# KiCad board UD3.1.kicad_pcb (continued)
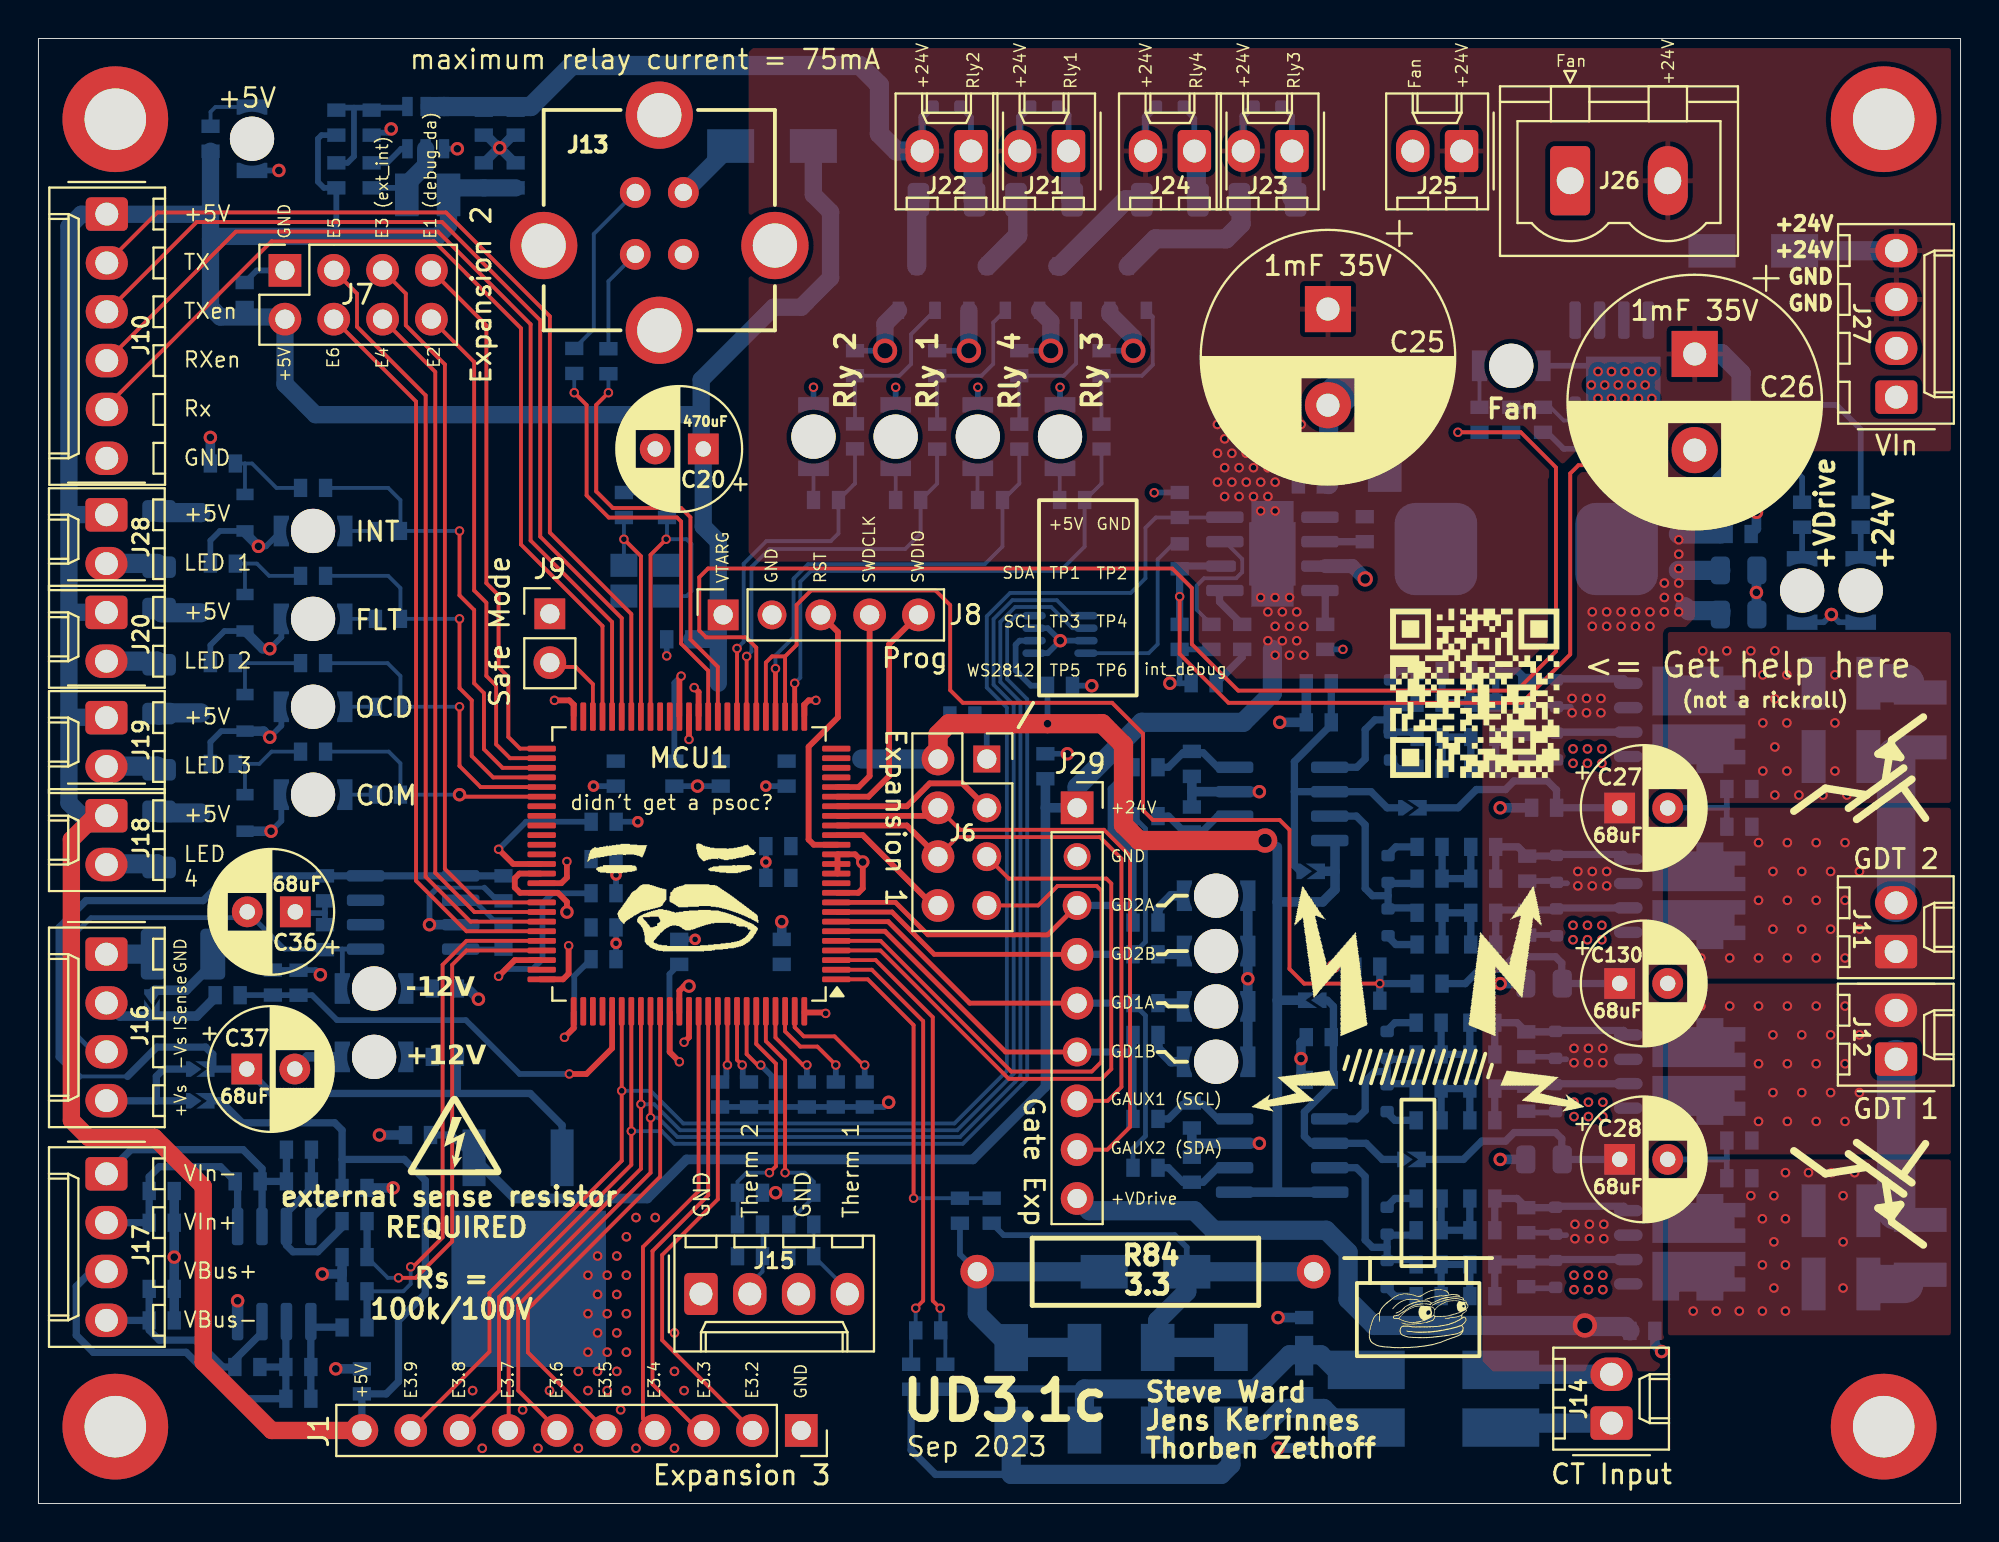
[diagram p0: board, top side]
## Library data of the parts
C1-C18 C21-C24 C31-C35 C38-C40 C78-C100 C102 C107 C110-C116 C118 C123 C126-C129 = -: Description: Unpolarized capacitor; ki_fp_filters: C_*
C19 C101 C103-C105 C108 C109 C117 C119-C121 C124 C125 C131-C135 = -: Description: Unpolarized capacitor; SUPPLIER 1: Digi-Key; SUPPLIER 2: Digi-Key; SUPPLIER 3: Digi-Key; SUPPLIER PART NUMBER 1: 1276-2044-1-ND; SUPPLIER PART NUMBER 2: 1276-1018-1-ND; SUPPLIER PART NUMBER 3: 1276-1182-1-ND; SUPPLIER 4: Digi-Key; SUPPLIER 5: Digi-Key; SUPPLIER 6: Digi-Key; SUPPLIER 7: Digi-Key; SUPPLIER 8: Digi-Key; SUPPLIER 9: Digi-Key; SUPPLIER PART NUMBER 4: 1276-1009-1-ND; SUPPLIER PART NUMBER 5: 1276-1098-1-ND; SUPPLIER PART NUMBER 6: 1276-1119-1-ND; SUPPLIER PART NUMBER 7: 490-12737-1-ND; SUPPLIER PART NUMBER 9: 587-1249-1-ND; SUPPLIER PART NUMBER 8: 1276-1183-1-ND; SUPPLIER 10: Digi-Key; SUPPLIER 11: Digi-Key; SUPPLIER 12: Digi-Key; SUPPLIER 13: Digi-Key; SUPPLIER PART NUMBER 10: 1276-CL10B104KB8NNNLCT-ND; SUPPLIER PART NUMBER 11: 399-1085-1-ND; SUPPLIER PART NUMBER 13: 587-2985-1-ND; SUPPLIER PART NUMBER 12: 1276-1021-1-ND; SUPPLIER 14: Digi-Key; SUPPLIER 15: Digi-Key; SUPPLIER 16: Digi-Key; SUPPLIER 17: Digi-Key; SUPPLIER 18: Digi-Key; SUPPLIER 19: Digi-Key; SUPPLIER PART NUMBER 14: 490-14603-1-ND; SUPPLIER PART NUMBER 15: 311-3700-1-ND; SUPPLIER PART NUMBER 16: 311-1042-1-ND; SUPPLIER PART NUMBER 17: 311-1415-1-ND; SUPPLIER PART NUMBER 19: 587-4321-1-ND; SUPPLIER PART NUMBER 18: 1276-1907-1-ND; SUPPLIER 20: Digi-Key; SUPPLIER 21: Digi-Key; SUPPLIER 22: Digi-Key; SUPPLIER PART NUMBER 20: 1276-6767-1-ND; SUPPLIER PART NUMBER 21: 1276-7060-1-ND; SUPPLIER PART NUMBER 22: 311-1084-1-ND; ki_fp_filters: C_*
C20 C25-C28 C36 C37 C130 = -: Description: Polarized capacitor, US symbol; SUPPLIER 1: Digi-Key; SUPPLIER PART NUMBER 1: 478-9181-1-ND; SUPPLIER 2: Digi-Key; SUPPLIER 3: Digi-Key; SUPPLIER PART NUMBER 2: 478-9173-1-ND; SUPPLIER PART NUMBER 3: 493-11037-ND; SUPPLIER 4: Digi-Key; SUPPLIER 5: Digi-Key; SUPPLIER PART NUMBER 4: PCE3462CT-ND; SUPPLIER PART NUMBER 5: 399-18864-1-ND; SUPPLIER 6: Digi-Key; SUPPLIER PART NUMBER 6: 399-10512-1-ND; SUPPLIER 7: Digi-Key; SUPPLIER PART NUMBER 7: 399-15746-ND; SUPPLIER 8: Digi-Key; SUPPLIER PART NUMBER 8: 1189-3752-1-ND; ki_fp_filters: CP_*
D1-D5 D43-D53 D62 D63 = -: Description: Light emitting diode; SUPPLIER 1: Digi-Key; SUPPLIER 2: Digi-Key; SUPPLIER 3: Digi-Key; SUPPLIER 4: Digi-Key; SUPPLIER PART NUMBER 1: 732-4979-1-ND; SUPPLIER PART NUMBER 2: 732-4971-1-ND; SUPPLIER PART NUMBER 3: 732-4966-1-ND; SUPPLIER PART NUMBER 4: 732-4981-1-ND; ki_fp_filters: LED* LED_SMD:* LED_THT:*
D7 = -: Description: Schottky diode; SUPPLIER 1: Digi-Key; SUPPLIER PART NUMBER 1: FSV12100VCT-ND; ki_fp_filters: TO-???* *_Diode_* *SingleDiode* D_*
D32-D35 D37-D42 D56-D59 D66-D69 = -: Description: Schottky diode; SUPPLIER 1: Digi-Key; SUPPLIER PART NUMBER 1: MBR10100GOS-ND; SUPPLIER 2: Digi-Key; SUPPLIER PART NUMBER 2: 1655-1504-1-ND; ki_fp_filters: TO-???* *_Diode_* *SingleDiode* D_*
D36 = -: Description: Bidirectional transient-voltage-suppression diode; ki_fp_filters: TO-???* *_Diode_* *SingleDiode* D_*
D54 D55 D60 D61 D64 D65 D70 D71 = -: Description: Zener diode; SUPPLIER 1: Digi-Key; SUPPLIER PART NUMBER 1: UCLAMP3301HCT-ND; ki_fp_filters: TO-???* *_Diode_* *SingleDiode* D_*
IC1 = -: Description: DigiPot 8bit; ki_fp_filters: *Sot 23-8*
IC6 = -: Description: Dual operational amplifier; SUPPLIER 1: Digi-Key; SUPPLIER PART NUMBER 1: 296-27903-5-ND; Sim.Name: kicad_builtin_opamp_dual; Sim.Device: SUBCKT; Sim.Pins: 1=out1 2=in1- 3=in1+ 4=vee 5=in2+ 6=in2- 7=out2 8=vcc; ki_fp_filters: SOIC*3.9x4.9mm*P1.27mm* DIP*W7.62mm* MSOP*3x3mm*P0.65mm* SSOP*2.95x2.8mm*P0.65mm* TSSOP*3x3mm*P0.65mm* VSSOP*P0.5mm* TO?99*
IC7 IC8 = -: Description: Dual gate driver; ki_fp_filters: *SOIC8*
J1 = -: Description: Generic connector, single row, 01x10, script generated; LATESTREVISIONDATE: 17-Jul-2002; LATESTREVISIONNOTE: Re-released for DXP Platform.; PUBLISHER: Altium Limited; ki_fp_filters: Connector*:*_1x??_*
J2-J5 = -: Description: Mounting Hole with connection; ki_fp_filters: MountingHole*Pad*
J6 J7 = -: Description: Generic connector, double row, 02x04, odd/even pin numbering scheme (row 1 odd numbers, row 2 even numbers), script generated (kicad-library-utils/schlib/autogen/connector/); LATESTREVISIONDATE: 17-Jul-2002; LATESTREVISIONNOTE: Re-released for DXP Platform.; PUBLISHER: Altium Limited; ki_fp_filters: Connector*:*_2x??_*
J8 = -: Description: Generic connector, single row, 01x05, script generated; LATESTREVISIONDATE: 17-Jul-2002; LATESTREVISIONNOTE: Re-released for DXP Platform.; PUBLISHER: Altium Limited; ki_fp_filters: Connector*:*_1x??_*
J9 = -: Description: Generic connector, single row, 01x02, script generated; LATESTREVISIONDATE: 17-Jul-2002; LATESTREVISIONNOTE: Re-released for DXP Platform.; PUBLISHER: Altium Limited; ki_fp_filters: Connector*:*_1x??_*
J10 = -: Description: Generic connector, single row, 01x06, script generated; ki_fp_filters: Connector*:*_1x??_*
J11 J12 J14 J18-J26 J28 = -: Description: Generic connector, single row, 01x02, script generated; ki_fp_filters: Connector*:*_1x??_*
J13 = -: Description: USB Type B connector; ki_fp_filters: USB*
J15-J17 J27 = -: Description: Generic connector, single row, 01x04, script generated; ki_fp_filters: Connector*:*_1x??_*
J29 = -: Description: Generic connector, single row, 01x09, script generated; LATESTREVISIONDATE: 17-Jul-2002; LATESTREVISIONNOTE: Re-released for DXP Platform.; PUBLISHER: Altium Limited; ki_fp_filters: Connector*:*_1x??_*
Jp1 Jp10-Jp16 = -: Description: Solder Jumper, 2-pole, open; ki_fp_filters: SolderJumper*Open*
L1 = -: Description: Inductor; SUPPLIER 1: Digi-Key; SUPPLIER PART NUMBER 1: 541-1253-1-ND; SUPPLIER 2: Digi-Key; SUPPLIER PART NUMBER 2: SRP1265A-1R0MCT-ND; SUPPLIER 3: Digi-Key; SUPPLIER PART NUMBER 3: 732-4237-1-ND; ki_fp_filters: Choke_* *Coil* Inductor_* L_*
L2 = -: Description: Coupled inductor with iron core; SUPPLIER 1: Digi-Key; SUPPLIER PART NUMBER 1: 732-2358-1-ND; ki_fp_filters: Choke_* *Coil* Inductor_* L_*
L3 = -: Description: Inductor; SUPPLIER 1: Digi-Key; SUPPLIER 2: Digi-Key; SUPPLIER PART NUMBER 1: 541-1250-1-ND; SUPPLIER PART NUMBER 2: 541-1253-1-ND; SUPPLIER 3: Digi-Key; SUPPLIER 4: Digi-Key; SUPPLIER PART NUMBER 3: SRN6028-3R9MCT-ND; SUPPLIER PART NUMBER 4: SRN6028-4R7MCT-ND; SUPPLIER 5: Digi-Key; SUPPLIER 6: Digi-Key; SUPPLIER 7: Digi-Key; SUPPLIER 8: Digi-Key; SUPPLIER 9: Digi-Key; SUPPLIER 10: Digi-Key; SUPPLIER 11: Digi-Key; SUPPLIER PART NUMBER 5: 490-10563-1-ND; SUPPLIER PART NUMBER 6: 1276-6932-1-ND; SUPPLIER PART NUMBER 7: 587-2042-1-ND; SUPPLIER PART NUMBER 8: 535-12790-1-ND; SUPPLIER PART NUMBER 9: SRP1265A-1R0MCT-ND; SUPPLIER PART NUMBER 10: SRP1770TA-5R6MCT-ND; SUPPLIER PART NUMBER 11: SRN6028-100MCT-ND; ki_fp_filters: Choke_* *Coil* Inductor_* L_*
MCU1 = -: ki_fp_filters: *TQFP 100*
Q5-Q13 = -: Description: N-MOSFET transistor, gate/source/drain; SUPPLIER 1: Digi-Key; SUPPLIER PART NUMBER 1: 1727-5305-1-ND; SUPPLIER 2: Digi-Key; SUPPLIER PART NUMBER 2: 1727-1123-1-ND; SUPPLIER 3: Digi-Key; SUPPLIER 4: Digi-Key; SUPPLIER PART NUMBER 4: T2N7002AKLMCT-ND; SUPPLIER PART NUMBER 3: BSC0906NSATMA1CT-ND; SUPPLIER 5: Digi-Key; SUPPLIER PART NUMBER 5: 1727-4714-1-ND; SUPPLIER 6: Digi-Key; SUPPLIER 7: Digi-Key; SUPPLIER PART NUMBER 6: 497-14572-5-ND; SUPPLIER PART NUMBER 7: IPP180N10N3GXKSA1-ND
Q14-Q17 = -: Description: Dual Mosfet, one N & P channel resp.; SUPPLIER 1: Digi-Key; ki_fp_filters: *SO-8FL - Dual*
R1-R8 R10-R14 R47 R48 R82-R184 = -: Description: Resistor; ki_fp_filters: R_*
Reg1 = -: SUPPLIER 1: Digi-Key; SUPPLIER PART NUMBER 1: AP63203WU-7DICT-ND; SUPPLIER 2: Digi-Key; SUPPLIER PART NUMBER 2: AP63200WU-7DICT-ND; SUPPLIER 3: Digi-Key; SUPPLIER PART NUMBER 3: AP63201WU-7DICT-ND; ki_fp_filters: *TSOT26*
Reg2 = -: Description: Buck Regulator, Internal Switch 4A; ki_fp_filters: *SOIC8 EXPOSED*
Reg3 = -: Description: positive voltage regulator; ki_fp_filters: *TO252 DPAk*
U1 = -: ki_fp_filters: *SOIC8*
X1 = -: SUPPLIER 1: Digi-Key; SUPPLIER PART NUMBER 1: SER4069TR-ND; ki_fp_filters: *ECS-3225MV Oscillator*

## Footprints (pads in the part's own frame, mm; a bottom-side part is the same pattern mirrored in y, then rotated)
0603 SMD Component
  rect 0.7x0.95 smd: 1(-0.65,0) 2(0.65,0)
1008 SMD Component
  rect 1.23x2.22 smd: 1(-1.085,0) 2(1.085,0)
1210 SMD Component
  rect 1.25x2.75 smd: 1(-1.425,0) 2(1.425,0)
C_0805_2012Metric
  rrect 1x1.45 smd: 1(-0.95,0) 2(0.95,0)
CP_Radial_D6.3mm_P2.50mm
  rect 1.6x1.6 hole 0.8: 1(0,0)
  round 1.6 hole 0.8: 2(2.5,0)
CP_Radial_D13.0mm_P5.00mm
  rect 2.4x2.4 hole 1.2: 1(0,0)
  round 2.4 hole 1.2: 2(5,0)
D_SOD-523
  rrect 0.6x0.7 smd: 1(-0.7,0) 2(0.7,0)
DO-214AC
  rect 2.45x1.75 smd: 1(-2.15,0) 2(2.15,0)
ECS-3225MV Oscillator
  rect 1.4x1.2 smd: 1(-1.1,-0.8) 2(1.1,0.8) 3(1.1,-0.8) 4(-1.1,0.8)
Inductor 11x11mm
  rrect 4.3x4.8 smd: 1(-4.7,0) 2(4.7,0)
LED 1206 Reverse Mount
  round 2.3 hole 2.3 unplated: (0,0)
  custom 0.8x1.6 smd: 1(2.05,-0.8) 2(-2.05,-0.8)
Molex_KK-254_AE-6410-02A_1x02_P2.54mm_Vertical
  rrect 1.74x2.19 hole 1.19: 1(0,0)
  oval 1.74x2.19 hole 1.19: 2(2.54,0)
Molex_KK-254_AE-6410-04A_1x04_P2.54mm_Vertical
  rrect 1.74x2.19 hole 1.19: 1(0,0)
  oval 1.74x2.19 hole 1.19: 2(2.54,0) 3(5.08,0) 4(7.62,0)
Molex_KK-254_AE-6410-06A_1x06_P2.54mm_Vertical
  rrect 1.74x2.19 hole 1.19: 1(0,0)
  oval 1.74x2.19 hole 1.19: 2(2.54,0) 3(5.08,0) 4(7.62,0) 5(10.16,0) 6(12.7,0)
MountingHole_3.2mm_M3_ISO14580_Pad
  round 5.5 hole 3.2: 1(0,0)
PCB Jumper NO
  custom 0.813x0.813 smd: 1(0.533,-0.406)
  round 0.025 smd: 1(0.584,0) 2(-0.61,0)
  custom 1.01x0.813 smd: 2(-0.705,-0.406)
PhoenixContact_MSTBVA_2,5_2-G-5,08_1x02_P5.08mm_Vertical
  rrect 2.08x3.6 hole 1.4: 1(0,0)
  oval 2.08x3.6 hole 1.4: 2(5.08,0)
PinHeader_1x02_P2.54mm_Vertical
  rect 1.6x1.6 hole 1: 1(0,0)
  oval 1.7x1.7 hole 1: 2(0,-2.54)
PinSocket_1x05_P2.54mm_Vertical
  rect 1.6x1.6 hole 1: 1(0,0)
  oval 1.5x1.5 hole 1: 2(0,-2.54)
  oval 1.6x1.6 hole 1: 3(0,-5.08)
  oval 1.7x1.7 hole 1: 4(0,-7.62) 5(0,-10.16)
PinSocket_1x09_P2.54mm_Vertical
  rect 1.7x1.7 hole 1: 1(0,0)
  oval 1.4x1.4 hole 1: 2(0,-2.54)
  oval 1.5x1.5 hole 1: 3(0,-5.08) 6(0,-12.7)
  oval 1.7x1.7 hole 1: 4(0,-7.62) 5(0,-10.16) 7(0,-15.24) 8(0,-17.78) 9(0,-20.32)
PinSocket_1x10_P2.54mm_Vertical
  rect 1.7x1.7 hole 1: 1(0,0)
  oval 1.7x1.7 hole 1: 2(0,-2.54) 3(0,-5.08) 4(0,-7.62) 5(0,-10.16) 6(0,-12.7) 7(0,-15.24) 8(0,-17.78) 9(0,-20.32) 10(0,-22.86)
PinSocket_2x04_P2.54mm_Vertical
  rect 1.7x1.7 hole 1: 1(0,0)
  oval 1.7x1.7 hole 1: 2(-2.54,0) 3(0,-2.54) 4(-2.54,-2.54) 5(0,-5.08) 6(-2.54,-5.08) 7(0,-7.62) 8(-2.54,-7.62)
PinSocket_2x04_P2.54mm_Vertical#2
  rect 1.4x1.4 hole 1: 1(0,0)
  oval 1.7x1.7 hole 1: 2(-2.54,0) 4(-2.54,-2.54) 6(-2.54,-5.08) 8(-2.54,-7.62)
  oval 1.5x1.5 hole 1: 3(0,-2.54) 5(0,-5.08) 7(0,-7.62)
R_1206_3216Metric
  rrect 1.125x1.75 smd: 1(-1.462,0) 2(1.462,0)
R_1210_3225Metric_Pad1.30x2.65mm_HandSolder
  rrect 1.3x2.65 smd: 1(-1.55,0) 2(1.55,0)
Resistor Axial 0411 THT 2W 17,5 Spacing
  round 1.75 hole 1: 1(0,8.75) 2(0,-8.75)
SO-8FL - Dual
  oval 0.6x1.5 smd: 1(-1.905,-2.715) 2(-0.635,-2.715) 4(0.635,-2.715) 5(1.905,-2.715)
  custom 2.545x4.84 smd: 3(-2.775,-1.465) 6(2.775,-1.465)
SOIC-8-1EP_3.9x4.9mm_P1.27mm_EP2.41x3.3mm
  rrect 0.97x1.33 smd: (-0.6,-0.825) (-0.6,0.825) (0.6,-0.825) (0.6,0.825)
  rrect 1.95x0.6 smd: 1(-2.475,1.905) 2(-2.475,0.635) 3(-2.475,-0.635) 4(-2.475,-1.905) 5(2.475,-1.905) 7(2.475,0.635) 8(2.475,1.905)
  rrect 1.55x0.6 smd: 6(2.675,-0.635)
  rect 2.41x3.3 smd: 9(0,0)
SOIC-8_3.9x4.9mm_P1.27mm
  rrect 1.95x0.6 smd: 1(-2.475,1.905) 2(-2.475,0.635) 3(-2.475,-0.635) 4(-2.475,-1.905) 5(2.475,-1.905) 6(2.475,-0.635) 7(2.475,0.635) 8(2.475,1.905)
SOIC-8_3.9x4.9mm_P1.27mm#2
  rrect 1.95x0.6 smd: 1(-2.475,-1.905) 2(-2.475,-0.635) 2(-2.475,0.635) 2(-2.475,1.905) 3(2.475,-1.905) 3(2.475,-0.635) 3(2.475,0.635) 3(2.475,1.905)
SON127P600 4 POS (8.50mm x 5.60mm)
  rect 4x2 smd: 1(-3.5,1.5) 2(-3.5,-1.5) 3(3.5,-1.5) 4(3.5,1.5)
SOT-23
  rect 0.9x0.6 smd: 1(-1.15,0.95) 2(-1.15,-0.95) 3(1.15,0)
SOT-23-8
  oval 1.22x0.4 smd: 1(-1.35,0.975) 2(-1.35,0.325) 3(-1.35,-0.325) 4(-1.35,-0.975) 5(1.35,-0.975) 6(1.35,-0.325) 7(1.35,0.325) 8(1.35,0.975)
TO-252 DPAk
  rect 2.95x1.2 smd: 1(-4.15,2.29) 3(-4.15,-2.29)
  rect 6.7x5.65 smd: 2(2.3,0)
TQFP-100_14x14mm_P0.5mm
  rrect 1.475x0.3 smd: 1(-7.662,6) 2(-7.662,5.5) 3(-7.662,5) 4(-7.662,4.5) 5(-7.662,4) 6(-7.662,3.5) 7(-7.662,3) 8(-7.662,2.5) 9(-7.662,2) 10(-7.662,1.5) 11(-7.662,1) 12(-7.662,0.5) 13(-7.662,0) 14(-7.662,-0.5) 15(-7.662,-1) 16(-7.662,-1.5) 17(-7.662,-2) 18(-7.662,-2.5) 19(-7.662,-3) 20(-7.662,-3.5) 21(-7.662,-4) 22(-7.662,-4.5) 23(-7.662,-5) 24(-7.662,-5.5) 25(-7.662,-6) 51(7.662,-6) 52(7.662,-5.5) 53(7.662,-5) 54(7.662,-4.5) 55(7.662,-4) 56(7.662,-3.5) 57(7.662,-3) 58(7.662,-2.5) 59(7.662,-2) 60(7.662,-1.5) 61(7.662,-1) 62(7.662,-0.5) 63(7.662,0) 64(7.662,0.5) 65(7.662,1) 66(7.662,1.5) 67(7.662,2) 68(7.662,2.5) 69(7.662,3) 70(7.662,3.5) 71(7.662,4) 72(7.662,4.5) 73(7.662,5) 74(7.662,5.5) 75(7.662,6)
  rrect 0.3x1.475 smd: 26(-6,-7.662) 27(-5.5,-7.662) 28(-5,-7.662) 29(-4.5,-7.662) 30(-4,-7.662) 31(-3.5,-7.662) 32(-3,-7.662) 33(-2.5,-7.662) 34(-2,-7.662) 35(-1.5,-7.662) 36(-1,-7.662) 37(-0.5,-7.662) 38(0,-7.662) 39(0.5,-7.662) 40(1,-7.662) 41(1.5,-7.662) 42(2,-7.662) 43(2.5,-7.662) 44(3,-7.662) 45(3.5,-7.662) 46(4,-7.662) 47(4.5,-7.662) 48(5,-7.662) 49(5.5,-7.662) 50(6,-7.662) 76(6,7.662) 77(5.5,7.662) 78(5,7.662) 79(4.5,7.662) 80(4,7.662) 81(3.5,7.662) 82(3,7.662) 83(2.5,7.662) 84(2,7.662) 85(1.5,7.662) 86(1,7.662) 87(0.5,7.662) 88(0,7.662) 89(-0.5,7.662) 90(-1,7.662) 91(-1.5,7.662) 92(-2,7.662) 93(-2.5,7.662) 94(-3,7.662) 95(-3.5,7.662) 96(-4,7.662) 97(-4.5,7.662) 98(-5,7.662) 99(-5.5,7.662) 100(-6,7.662)
TSOT-26
  rect 1x0.55 smd: 1(-1.099,0.95) 2(-1.099,0) 3(-1.099,-0.95) 4(1.099,-0.95) 5(1.099,0) 6(1.099,0.95)
USB 2.0 Type B Vertical
  round 1.6 hole 0.9: 1(1.25,3.22) 2(-1.25,3.22) 3(-1.25,0) 4(1.25,0)
  round 3.5 hole 2.3: 5(-6.015,0.46) 5(0,7.24) 5(0,-3.95) 5(6.015,0.46)

## Nets
+5V: C1.2 C2.1 C4.2 C8.2 C9.2 C10.1 C12.2 C14.2 C15.2 C17.2 C20.1 C23.2 C90.2 C91.2 C98.1 C132.1 C133.1 C135.1 D37.1 IC1.2 IC6.8 IC7.1 IC7.8 IC8.1 IC8.8 J1.10 J6.2 J7.2 J8.1 J10.1 J18.1 J19.1 J20.1 J28.1 Jp10.2 Jp13.2 Jp15.2 L3.2 MCU1.26 MCU1.37 MCU1.50 MCU1.65 MCU1.75 MCU1.88 MCU1.100 R6.2 R8.1
+12V: C35.2 C37.1 C40.2 Jp11.2 R5.1 Reg3.3 U1.1 U1.8
+24V: C6.2 C19.2 C25.1 C26.1 C31.2 C32.2 C34.2 C131.1 D38.1 D39.1 D40.1 D41.1 D42.1 J21.2 J22.2 J23.2 J24.2 J25.1 J26.2 J27.3 J27.4 J29.1 Jp1.1 R3.1 Reg1.2 Reg1.3 Reg2.9 Reg3.1
-12V: C36.2 C38.2 D4.1 J16.3 U1.5
GND: C1.1 C2.2 C3.1 C4.1 C5.1 C6.1 C7.1 C8.1 C9.1 C10.2 C11.1 C12.1 C13.1 C14.1 C15.1 C16.2 C17.1 C18.2 C19.1 C20.2 C21.1 C22.2 C23.1 C24.1 C25.2 C26.2 C27.2 C28.2 C31.1 C32.1 C34.1 C35.1 C36.1 C37.2 C38.1 C40.1 C78.2 C79.2 C82.1 C83.2 C86.1 C87.2 C88.1 C89.1 C90.1 C91.1 C92.1 C93.1 C95.1 C96.1 C98.2 C99.1 C100.1 C101.2 C105.2 C110.1 C111.1 C112.1 C113.1 C114.1 C115.1 C116.1 C117.2 C121.2 C126.1 C127.1 C128.1 C129.1 C130.2 C131.2 C132.2 C133.2 D1.1 D2.1 D3.1 D5.1 D7.2 D32.2 D33.2 D36.2 D43.1 D44.1 D45.1 D46.1 D47.1 D48.1 D49.1 D50.1 D51.1 D52.1 D53.1 D54.2 D55.2 D62.1 D63.1 D64.2 D65.2 IC1.1 IC1.3 IC1.7 IC6.4 IC7.3 IC8.3 J1.1 J2.1 J3.1 J4.1 J5.1 J6.1 J7.1 J8.2 J9.1 J10.6 J13.4 J13.5 J15.1 J15.3 J16.1 J27.1 J27.2 J29.2 MCU1.10 MCU1.12 MCU1.13 MCU1.14 MCU1.38 MCU1.64 MCU1.66 MCU1.87 Q5.2 Q6.2 Q7.2 Q8.2 Q9.2 Q10.2 Q11.2 Q12.2 Q13.2 Q14.1 Q15.1 Q16.1 Q17.1 R1.2 R2.1 R7.1 R11.1 R13.1 R82.1 R84.2 R88.2 R90.1 R96.1 R99.1 R108.1 R111.1 R112.1 R118.1 R122.1 R123.1 R126.1 R133.1 R134.1 R137.1 R138.1 R154.2 R158.1 R159.1 R162.1 R163.1 R179.2 R180.2 R181.2 R182.2 R183.2 R184.2 Reg1.4 Reg2.3 Reg3.2 U1.3
+VDrive: C27.1 C28.1 C111.2 C112.2 C113.2 C114.2 C126.2 C127.2 C128.2 C129.2 C130.1 D60.1 D61.1 D70.1 D71.1 J29.9 Jp1.2 Jp12.2 Jp14.2 L1.2 Q14.4 Q15.4 Q16.4 Q17.4 R4.1 R14.2 R152.2 R153.2 R155.1 R177.2 R178.2
/AFE/CTA: J14.2 L2.1
/AFE/CTB: J14.1 L2.2
/AFE/CTout: C83.1 MCU1.1 R85.1
/AFE/Ibus: C82.2 MCU1.80 R1.1 R83.1
/AFE/Ibus In: J16.2 Jp16.2 R83.2
/AFE/therm1: C96.2 MCU1.96 R93.1
/AFE/Therm1 In: C95.2 J15.4 R93.2
/AFE/therm2: C89.2 MCU1.95 R89.1
/AFE/Therm2 In: C88.2 J15.2 R89.2
/AFE/VSense A: C86.2 MCU1.72 R87.2
/AFE/VSense A +: C85.2 C87.1 IC6.5 J17.2 R88.1
/AFE/VSense A -: C84.1 C85.1 IC6.6 J17.1 R86.1
/AFE/VSense B: C93.2 MCU1.71 R91.2
/AFE/VSense B +: C92.2 C94.1 IC6.3 J17.4 R90.2
/AFE/VSense B -: C94.2 C97.1 IC6.2 J17.3 R92.1
/AFE/ZCDA: C81.1 MCU1.3 R48.1
/AFE/ZCDB: C81.2 MCU1.2 R47.1
/Controller/Aux Gate 1: J6.6 J29.7 MCU1.17
/Controller/Aux Gate 2: J6.4 J29.8 MCU1.18
/Controller/Default: J9.2 MCU1.48
/Controller/E1: J7.7 MCU1.51
/Controller/E2: J7.8 MCU1.52
/Controller/E3: J7.5 MCU1.67
/Controller/E3.2: J1.2 MCU1.91
/Controller/E3.3: J1.3 MCU1.90
/Controller/E3.4: J1.4 MCU1.89
/Controller/E3.5: J1.5 MCU1.85
/Controller/E3.6: IC1.6 J1.6 MCU1.84
/Controller/E3.7: IC1.5 J1.7 MCU1.83
/Controller/E3.8: IC1.4 J1.8 MCU1.82
/Controller/E3.9: J1.9 MCU1.81 R13.2 Reg2.8
/Controller/E4: J7.6 MCU1.68
/Controller/E5: J7.3 MCU1.69
/Controller/E6: J7.4 MCU1.70
/Controller/GD1A: J29.5 MCU1.7 R157.1 R169.1
/Controller/GD1B: J29.6 MCU1.6 R156.1 R168.1
/Controller/GD2A: J29.3 MCU1.9 R132.1 R143.1
/Controller/GD2B: J29.4 MCU1.8 R131.1 R144.1
/Controller/LED1: MCU1.53 R100.1 R106.1
/Controller/LED2: MCU1.54 R109.1 R110.1
/Controller/LED3: MCU1.55 R119.1 R120.1
/Controller/LED4: MCU1.56 R127.1 R128.1
/Controller/TP2: J6.3 MCU1.19
/Controller/TP4: J6.5 MCU1.4
/Controller/TP5: J6.8 MCU1.16
/Controller/TP6: J6.7 MCU1.5
/Controller/VIB0: MCU1.92 R184.1
/Controller/VIB1: MCU1.93 R183.1
/Controller/VIB2: MCU1.94 R182.1
/Controller/VIB3: MCU1.97 R181.1
/Controller/VIB4: MCU1.98 R180.1
/Controller/VIB5: MCU1.99 R179.1
/Controller/XI: C16.1 MCU1.43 X1.2
/Controller/XO: C18.1 MCU1.42 X1.1
/Digital IO/FAN: MCU1.31 R98.1 R105.1
/Digital IO/Relay1: MCU1.32 R101.1 R124.1
/Digital IO/Relay2: MCU1.33 R102.1 R125.1
/Digital IO/Relay3: MCU1.27 R103.1 R113.1
/Digital IO/Relay4: MCU1.29 R104.1 R114.1
/Fan Out: D38.2 J25.2 J26.1 Q6.3
/GDT Driver powerstage/GDT1 DRV A: D66.1 D68.2 IC8.7 R166.1 R171.1
/GDT Driver powerstage/GDT1 DRV B: D67.1 D69.2 IC8.5 R167.1 R172.1
/GDT Driver powerstage/GDT2 DRV A: D56.1 D58.2 IC7.5 R141.1 R146.1
/GDT Driver powerstage/GDT2 DRV B: D57.1 D59.2 IC7.7 R142.1 R147.1
/GDT Driver powerstage/GDT OUT 1A: C118.2 J12.1 R170.2
/GDT Driver powerstage/GDT OUT 2A: C102.2 J11.2 R145.2
/GDT Driver powerstage/M1A: C115.2 C118.1 C123.1 Q16.3 Q16.6
/GDT Driver powerstage/M1B: C116.2 J12.2 Q17.3 Q17.6
/GDT Driver powerstage/M2A: C99.2 C102.1 C107.1 Q14.3 Q14.6
/GDT Driver powerstage/M2B: C100.2 J11.1 Q15.3 Q15.6
/GDT Driver powerstage/UVLO: C110.2 MCU1.28 MCU1.30 R154.1 R155.2
/LED1 Out: J28.2 R97.1
/LED2 Out: J20.2 R107.1
/LED3 Out: J19.2 R115.1
/LED4 Out: J18.2 R121.1
/Relay1 Out: D39.2 J21.1 R129.2
/Relay2 Out: D40.2 J22.1 R130.2
/Relay3 Out: D41.2 J23.1 R116.2
/Relay4 Out: D42.2 J24.1 R117.2
/RX: J10.5 MCU1.47
/RXen: J10.4 MCU1.46
/TX: J10.2 MCU1.44
/TXen: J10.3 MCU1.45
/USB D+: MCU1.35 R94.1
/USB D-: MCU1.36 R95.1
Net-(C5-Pad2): C5.2 MCU1.86
Net-(C13-Pad2): C13.2 MCU1.39
Net-(C21-Pad2): C21.2 R12.1
Net-(C84-Pad2): C84.2 IC6.7 R86.2 R87.1
Net-(C97-Pad2): C97.2 IC6.1 R91.1 R92.2
Net-(C103-Pad1): C103.1 R139.2 R140.1 R141.2
Net-(C104-Pad1): C104.1 R135.1 R136.2 R142.2
Net-(C107-Pad2): C107.2 R145.1
Net-(C108-Pad1): C108.1 R146.2 R148.2 R149.1
Net-(C109-Pad1): C109.1 R147.2 R150.1 R151.2
Net-(C119-Pad1): C119.1 R164.2 R165.1 R166.2
Net-(C120-Pad1): C120.1 R160.1 R161.2 R167.2
Net-(C123-Pad2): C123.2 R170.1
Net-(C124-Pad1): C124.1 R171.2 R173.2 R174.1
Net-(C125-Pad1): C125.1 R172.2 R175.1 R176.2
Net-(D1-A): D1.2 R3.2
Net-(D2-A): D2.2 R4.2
Net-(D3-A): D3.2 R5.2
Net-(D4-A): D4.2 R7.2
Net-(D5-A): D5.2 R8.2
Net-(D7-K): C33.1 D7.1 L1.1 Reg2.1
Net-(D32-K): C79.1 C80.1 D32.1 D34.2 L2.4 R48.2
Net-(D33-K): C78.1 C80.2 D33.1 D35.2 L2.3 R47.2
Net-(D34-K): D34.1 D35.1 D36.1 R84.1 R85.2
Net-(D37-A): D37.2 J13.1
Net-(D43-A): D43.2 R101.2
Net-(D44-A): D44.2 R102.2
Net-(D45-A): D45.2 R103.2
Net-(D46-A): D46.2 R104.2
Net-(D47-A): D47.2 R105.2
Net-(D48-A): D48.2 R106.2
Net-(D49-A): D49.2 R110.2
Net-(D50-A): D50.2 R120.2
Net-(D51-A): D51.2 R128.2
Net-(D52-A): D52.2 R131.2
Net-(D53-A): D53.2 R132.2
Net-(D54-K): C103.2 D54.1 Q14.2 R134.2 R140.2
Net-(D55-K): C104.2 D55.1 Q15.2 R133.2 R135.2
Net-(D56-A): D56.2 R139.1
Net-(D57-A): D57.2 R136.1
Net-(D58-K): D58.1 R148.1
Net-(D59-K): D59.1 R151.1
Net-(D60-A): C108.2 D60.2 Q14.5 R149.2 R153.1
Net-(D61-A): C109.2 D61.2 Q15.5 R150.2 R152.1
Net-(D62-A): D62.2 R156.2
Net-(D63-A): D63.2 R157.2
Net-(D64-K): C119.2 D64.1 Q16.2 R159.2 R165.2
Net-(D65-K): C120.2 D65.1 Q17.2 R158.2 R160.2
Net-(D66-A): D66.2 R164.1
Net-(D67-A): D67.2 R161.1
Net-(D68-K): D68.1 R173.1
Net-(D69-K): D69.1 R176.1
Net-(D70-A): C124.2 D70.2 Q16.5 R174.2 R178.1
Net-(D71-A): C125.2 D71.2 Q17.5 R175.2 R177.1
Net-(IC1-A): IC1.8 R10.1
Net-(IC7-IN_A): IC7.2 R138.2 R144.2
Net-(IC7-IN_B): IC7.4 R137.2 R143.2
Net-(IC7-VCC): C101.1 C105.1 IC7.6 Jp12.1 Jp13.1
Net-(IC8-IN_A): IC8.2 R163.2 R169.2
Net-(IC8-IN_B): IC8.4 R162.2 R168.2
Net-(IC8-VCC): C117.1 C121.1 IC8.6 Jp14.1 Jp15.1
Net-(J8-Pin_3): J8.3 MCU1.15
Net-(J8-Pin_4): J8.4 MCU1.21
Net-(J8-Pin_5): J8.5 MCU1.20
Net-(J13-D+): J13.3 R94.2
Net-(J13-D-): J13.2 R95.2
Net-(J16-Pin_4): J16.4 Jp10.1 Jp11.1
Net-(Jp16-A): Jp16.1 R82.2
Net-(MCU1-P0[2]_(GPIO,_OPAMP0+),_SAR1REF): C7.2 MCU1.73
Net-(MCU1-P0[4]_(GPIO,_OPAMP2+,_SAR0REF)): C3.2 MCU1.76
Net-(MCU1-VCCA): C11.2 MCU1.63
Net-(Q5-D): Q5.3 R97.2
Net-(Q5-G): Q5.1 R99.2 R100.2
Net-(Q6-G): Q6.1 R96.2 R98.2
Net-(Q7-D): Q7.3 R107.2
Net-(Q7-G): Q7.1 R108.2 R109.2
Net-(Q8-D): Q8.3 R115.2
Net-(Q8-G): Q8.1 R118.2 R119.2
Net-(Q9-D): Q9.3 R116.1
Net-(Q9-G): Q9.1 R111.2 R113.2
Net-(Q10-D): Q10.3 R117.1
Net-(Q10-G): Q10.1 R112.2 R114.2
Net-(Q11-D): Q11.3 R121.2
Net-(Q11-G): Q11.1 R126.2 R127.2
Net-(Q12-D): Q12.3 R129.1
Net-(Q12-G): Q12.1 R122.2 R124.2
Net-(Q13-D): Q13.3 R130.1
Net-(Q13-G): Q13.1 R123.2 R125.2
Net-(Reg1-BST): C134.1 Reg1.6
Net-(Reg1-FB): C135.2 R2.2 R6.1 Reg1.1
Net-(Reg1-SW): C134.2 L3.1 Reg1.5
Net-(Reg2-BST): C33.2 Reg2.2
Net-(Reg2-COMP): R12.2 Reg2.5
Net-(Reg2-FB): C22.1 R10.2 R14.1 Reg2.6
Net-(Reg2-FSW): R11.2 Reg2.4
Net-(Reg2-SS): C24.2 Reg2.7
Net-(U1-CAP+): C39.1 U1.2
Net-(U1-CAP-): C39.2 U1.4

Pads without a net: MCU1 11 22 23 24 25 34 40 41 49 57 58 59 60 61 62 74 77 78 79; U1 6 7; X1 3 4

## Via types
v1: diameter 0.5, hole 0.3, Top to Bottom, 264 vias
v2: diameter 0.6, hole 0.3, Top to Bottom, 7 vias
v3: diameter 0.7, hole 0.4, Top to Bottom, 46 vias
v4: diameter 0.8, hole 0.5, Top to Bottom, 1 via
v5: diameter 0.49, hole 0.3, Top to Bottom, 54 vias
v6: diameter 1.27, hole 0.8, Top to Bottom, 5 vias
v7: diameter 1.27, hole 0.7, Top to Bottom, 1 via

## Routing (per net, layer and track width the routed paths; a pad name or vN(x,y) marks a point on that pad's centre or on a via; arc(x,y) is an arc through that point)
+5V: length 299.9
  Top w0.3: v5(40.45,41.77) 40.07,41.77 39.85,41.55 39.85,40.99 ; 34.35,40.99 34.35,42.21 v5(34.11,42.44) ; 27.85,40.99 27.85,41.55 27.62,41.77 v5(26.85,41.77) ; 39.85,25.54 40.91,25.54 v5(40.96,25.49) ; 26.12,32.27 27.2,32.27 27.5,32.56 v5(27.5,33.39) ; v5(27.58,29.01) 27.58,27.56 27.29,27.27 26.12,27.27 ; 33.85,25.54 33.85,24.25 v5(33.59,23.99)
  Top w0.9: 2.99,35.81 1.71,34.53 1.71,19.93 2.6,19.04 6.03,19.04 8.57,16.5 8.57,7.36 12.13,3.8 J1.10
  Top w1: v7(63.82,34.48) 57.26,34.48 56.45,35.3 56.45,39.45 55.34,40.56 v3(52.5,40.56) 47.36,40.56 46.8,40 J6.2
  Bottom w0.3: J6.2 46.8,40.37 C9.2 ; IC1.2 51.05,44.88 50.84,44.67 50.84,43.33 51.64,42.54 C10.1 v3(52.5,40.56) ; R6.2 14.73,71.17 14.54,70.98 14.54,68.74 14.86,68.43 C135.1 15.5,66.03 15.37,65.9
  Bottom w0.381: Jp10.2 9.46,20.95 10.6,19.8 15.41,19.8 15.8,19.42 15.8,17.9 ; 14.17,14.79 C12.2 15.8,17.9 ; 15.8,17.9 19.03,17.9 20.13,16.8 20.13,10.91 18.73,9.52 18.73,6.34 18.1,5.71 C8.2 J1.10
  Bottom w0.5: 61.96,16.2 64.45,16.2 ; 64.45,16.2 64.45,26.18 ; 64.45,16.2 67.46,16.2 ; 61.96,34.48 v7(63.82,34.48) ; 64.45,26.18 64.45,31.29 ; 64.45,26.18 Jp15.2 ; 67.46,32.88 67.46,31.93 66.81,31.29 64.45,31.29 ; 67.46,32.88 Jp13.2 ; 67.46,32.88 67.46,34.48 ; 64.45,31.29 64.45,34.15
  Bottom w0.9: 8.95,67.06 R8.1 ; 8.95,67.06 8.95,65.78 ; 8.95,67.06 2.23,67.06 1.59,66.41 1.59,51.54 ; 34.48,56.63 34.48,58.45 38.25,62.22 39.69,62.22 41.21,63.75 41.21,67.17 40.31,68.07 D37.1 ; 34.48,56.63 14.41,56.63 12.83,58.22 12.83,61.59 ; 34.48,56.63 34.48,55.24 ; 8.95,65.78 8.95,62.22 9.46,61.71 12.89,61.71 ; 8.95,65.78 9.08,65.9 20.76,65.9 21.33,66.47 L3.2 21.7,68.43 C133.1 C132.1 ; 35.37,42.66 35.37,44.95 ; 35.37,44.95 C23.2 ; 35.37,44.95 35.37,50.03 34.59,50.81 34.59,54.86 ; 1.59,51.54 1.59,46.33 ; 1.59,51.54 1.69,51.44 3.56,51.44 ; 1.59,41 1.59,46.33 ; 1.59,41 1.59,36.44 2.21,35.81 3.56,35.81 ; 1.59,41 1.69,40.89 3.56,40.89 ; 1.59,46.33 1.61,46.36 3.56,46.36
  Bottom w1: 42.83,38.73 J6.2
+12V: length 63.4
  Bottom w0.2: 2.1,22.22 4.64,22.22
  Bottom w0.381: 21.8,21.33 12.12,21.33 10.85,22.6 ; 21.8,21.33 25.59,21.33 27.25,19.67 Reg3.3 ; 21.8,21.33 R5.1 ; C35.2 C40.2 9.86,32.65 8.57,31.36 2.48,31.36 1.08,29.96 1.08,23.23 2.1,22.22 ; 10.35,22.6 Jp11.2 9.07,23.37 8.7,23.74 6.16,23.74 4.64,22.22
+24V: length 130.2
  Bottom w0.3: R3.1 94.8,55.87 93.54,57.14 88.58,57.14
  Bottom w0.381: 45.97,70.48 45.97,72.11 46.49,72.64 ; 57.59,70.35 57.59,72.11 58.11,72.64 ; 63.14,72.64 62.67,72.17 62.67,70.35 ; 51.05,70.35 51.05,72.11 51.57,72.64 ; Reg3.1 21.48,19.17 C34.2
  Bottom w0.5: 52.39,36.19 J29.1 ; 52.39,36.19 52.39,21.67 48.62,17.9 33.72,17.9 31.69,15.87 24.78,15.87 Reg3.1 ; 52.39,36.19 C6.2
  Bottom w1: 45.97,70.35 44.64,70.35 43.75,71.24 43.75,73.78 42.73,74.79 27.75,74.79 25.62,72.66 Reg1.3 20.38,72.66 ; J29.1 54.04,37.27 57.4,40.63 62.67,40.63 64.2,42.16 64.2,44.43 ; 86.17,59.81 87.57,59.81 88.58,58.79 88.58,55.87 ; 91.38,65.16 96.65,65.16
  vias: v1(61.34,57.63) v1(61.34,56.13) v1(61.34,54.63) v1(61.34,53.13) v1(61.71,56.88) v1(61.71,55.38) v1(61.71,53.88) v1(61.71,52.38) v1(62.09,57.63) v1(62.09,56.13) v1(62.09,54.63) v1(62.09,53.13) v1(62.46,56.88) v1(62.46,55.38) v1(62.46,53.88) v1(62.46,52.38) v1(62.84,57.63) v1(62.84,56.13) v1(62.84,54.63) v1(62.84,53.13) v1(63.21,56.88) v1(63.21,55.38) v1(63.21,53.88) v1(63.21,52.38) v1(63.59,57.63) v1(63.59,56.13) v1(63.59,54.63) v1(63.59,53.13) v1(63.59,51.63) v1(63.59,47.13) v1(63.96,56.88) v1(63.96,55.38) v1(63.96,53.88) v1(63.96,52.38) v1(63.96,46.38) v1(63.96,44.88) v1(64.34,57.63) v1(64.34,56.13) v1(64.34,54.63) v1(64.34,53.13) v1(64.34,51.63) v1(64.34,47.13) v1(64.34,45.63) v1(64.34,44.13) v1(64.71,56.88) v1(64.71,53.88) v1(64.71,46.38) v1(64.71,44.88) v1(65.09,57.63) v1(65.09,56.13) v1(65.09,47.13) v1(65.09,45.63) v1(65.09,44.13) v1(65.39,56.88) v1(65.46,46.38) v1(65.46,44.88) v1(65.69,56.13) v1(65.84,45.63) v1(65.84,44.13)
-12V: length 27.2
  Bottom w0.25: 15.81,26.79 15.81,28.84 ; 15.81,28.84 16.74,28.84 ; 15.81,28.84 12.8,28.84 ; 2.85,23.5 1.84,24.5 1.84,29.58 2.73,30.47 11.1,30.47 ; 12.8,28.84 10.87,30.77 ; 12.8,28.84 11.13,30.51
GND: length 236.8
  Top w0.3: 33.35,25.54 33.35,26.67 33.59,26.92 v3(33.85,26.92) ; v3(27.5,30.77) 27.5,31.29 27.02,31.77 25.06,31.77 24.78,32.04 24.78,32.52 25.03,32.77 26.12,32.77 ; 41.57,31.77 42.66,31.77 42.89,32 v3(42.89,33.37) 42.49,33.77 41.57,33.77 41.57,32.77 ; v5(33.85,39.74) 33.85,40.99
  Bottom w0.2: 20.76,32.03 23.2,32.03
  Bottom w0.3: C6.1 v3(53.53,39) ; v3(12.1,34.97) 12.64,35.5 12.64,36.87 ; C9.1 49.34,40.37 J6.1 ; R118.1 8.95,44.65 9.68,45.38 Q7.2 ; C5.1 v2(34.16,29.34) ; v3(14.67,27.5) 14.42,27.75 C82.1 ; 59.37,42.66 C21.1 ; 59.37,42.66 C22.2 C24.1 ; 59.37,42.66 v3(58.86,42.66) ; C115.1 87.84,17.9 ; 87.84,17.9 84.77,17.9 ; 87.84,17.9 C116.1 ; R111.1 v6(56.96,59.96) ; 30.05,31.87 v2(30.05,32.69) C15.1 ; R13.1 58.06,52.58 v5(58.05,52.57) ; C11.1 v2(31.18,35.46) ; 40.32,57.14 v5(40.32,58.06) ; v3(12.04,39.86) 12.64,40.46 12.64,41.44 ; v2(28.88,37.31) C17.1 ; 12.64,50.58 11.84,49.78 v3(11.45,49.78) ; R84.2 47.94,12.96 C83.2 ; IC1.3 52.51,45.53 v3(53.16,44.88) ; v5(32.69,44.09) C23.1 ; Q5.2 9.44,50.58 8.95,50.09 R108.1 ; 12.93,30.71 14.91,30.71 ; 14.91,30.71 C38.1 ; 14.91,30.71 C40.1 ; C91.1 v2(37.85,33.37) C90.1 ; Q8.2 9.51,40.17 8.95,39.61 R126.1 ; 81.22,55.87 80.2,54.86 79.35,54.86 78.49,55.72 ; C4.1 v3(34.29,37.31) C13.1 ; Reg1.4 v3(21.79,70.46) ; C3.1 v2(30.05,29.14) C14.1 ; 77.48,20.33 78.93,20.33 ; C18.2 v5(31.58,52.58) C16.2 ; v3(12.04,44.46) 12.64,45.06 12.64,46.01 ; 77.48,11.19 78.93,11.19 ; 78.28,59.17 80.82,59.17 81.39,58.6 ; v3(53.16,44.88) IC1.7 ; v3(53.16,44.88) 52.51,44.23 IC1.1 ; 11.11,69.33 v3(12.51,69.33) ; R134.1 78.89,38.71 ; R184.2 R183.2 R182.2 R181.2 R180.2 R179.2 43.99,20.63 v3(44.23,20.87) ; 48.87,57.14 v5(48.87,58.06) ; R123.1 v6(44.04,59.96) ; 12.83,64.14 11.36,64.14 C98.2 ; 94.8,45.84 93.68,45.84 v3(93.28,46.24) 92.88,45.84 91.76,45.84 ; 53.15,57.14 v5(53.15,58.06) ; 84.77,36.19 87.84,36.19 ; 87.84,36.19 C100.1 ; 87.84,36.19 C99.1 ; 12.2,27.74 13.53,27.74 ; 44.6,57.14 v5(44.6,58.06) ; v2(37.85,37.31) 38.8,37.31 ; v3(20.35,30.11) 20.35,31.61 20.76,32.03 ; R112.1 v6(52.67,59.96) ; 17.46,71.3 18.16,71.3 v3(18.35,71.49) ; 23.2,32.03 23.88,31.35 ; R122.1 v6(48.41,59.96) ; R133.1 78.89,29.57 ; 53.92,42.54 v3(54.8,42.54) ; R11.1 v5(67.87,44.43)
  Bottom w0.5: 13.35,22.6 13.98,23.23 15.81,23.23 ; C126.1 89.38,50.7 v3(89.38,51.55) 89.38,52.41 C114.1 ; C86.1 15.8,12.09 15.76,12.05 15.8,12.05 15.8,11.94 ; 89.38,46.24 v3(89.38,47.39) 89.38,48.53 ; C133.2 23.96,70.51 24.04,70.51 24.18,70.65 24.18,70.65 24.6,71.07 24.73,71.07 ; 10.75,50.48 v3(11.45,49.78) ; 10.36,9.19 v3(10.36,10.54) ; R90.1 C92.1 v3(7.06,12.82) R88.2 C87.2 ; C117.2 65.69,23.98 v3(65.69,23.14) 65.69,22.31 C121.2 ; v3(17.74,19.17) C34.1 ; C110.1 R154.2 v3(67.37,27.93) ; v3(22.89,26.23) 22.34,26.79 R7.1 ; Q7.2 11.66,44.46 v3(12.04,44.46) ; v3(76.05,36.19) 77.41,36.19 ; R138.1 60.01,37.02 ; 60.01,37.02 v3(63.52,37.02) ; 60.01,37.02 R137.1 ; v3(64.58,40.63) C105.2 C101.2 ; 62.92,31.61 v3(62.92,27.3) 62.92,22.98 ; 60.01,18.74 60.01,19.53 ; 60.01,18.74 R163.1 ; 60.01,18.74 v3(63.52,18.74) ; C12.1 v3(18.45,16.42) ; v3(12.04,39.86) 11.72,40.17 Q8.2 ; 24.78,69.73 v3(24,70.51) 23.85,70.67 23.8,70.67 23.4,71.07 ; Q11.2 v3(12.1,34.97) ; v3(84.45,7.91) 84.1,8.25 C111.1 ; v3(64.49,9.67) C79.2 ; v3(20.35,30.11) 22.24,30.11 ; C93.1 15.8,11.94 ; 15.8,11.94 v3(14.77,11.94) ; v3(64.49,2.88) C78.2 ; v3(76.05,17.9) 77.41,17.9 ; v3(76.05,27.04) 77.41,27.04 ; C1.1 v3(38.67,30.27) ; v3(15.47,7.01) C8.1 ; R99.1 v3(8.95,55.45)
  Bottom w0.73: v4(69.02,48.09) 68.35,48.76 66.95,48.76
  Bottom w0.9: v6(44.04,59.96) 44.04,61.36 Q13.2 ; v6(56.96,59.96) 56.96,60.64 55.74,61.86 Q9.2 ; v6(48.41,59.96) Q12.2 ; v6(52.67,59.96) 52.67,61.47 Q10.2
  Bottom w1: 67.12,53 67.12,57.08 ; 48.85,12.06 D36.2 ; 50.62,8.12 D32.2 ; D33.2 48.84,9.88 R84.2 ; 3.56,28.58 6.1,28.58
  Bottom w2: 67.08,57.13 68.1,58.15 D7.2
  vias: v1(22.59,5.88) v1(23.09,2.88) v1(25.19,4.88) v1(25.99,2.88) v1(26.59,5.88) v1(28.09,6.88) v1(28.09,2.88) v1(28.59,11.88) v1(28.59,9.88) v1(28.59,7.88) v1(28.59,5.88) v1(29.09,12.88) v1(29.09,10.88) v1(29.09,8.88) v1(29.09,6.88) v1(29.59,11.88) v1(29.59,9.88) v1(29.59,7.88) v1(29.59,5.88) v1(30.09,12.88) v1(30.09,10.88) v1(30.09,8.88) v1(30.09,6.88) v1(30.29,4.88) v1(30.59,13.88) v1(30.59,11.88) v1(30.59,9.88) v1(30.59,7.88) v1(30.59,5.88) v1(31.09,14.88) v1(31.09,2.88) v1(32.09,14.88) v1(33.09,8.88) v1(33.09,6.88) v1(33.09,2.88) v1(33.59,5.88) v1(79.84,39.25) v1(79.84,38.5) v1(79.84,30.08) v1(79.84,29.33) v1(79.89,20.88) v1(79.89,20.13) v1(79.89,11.88) v1(79.89,11.13) v1(80.59,39.25) v1(80.59,38.5) v1(80.59,30.08) v1(80.59,29.33) v1(80.64,20.88) v1(80.64,20.13) v1(80.64,11.88) v1(80.64,11.13) v1(80.79,58.18) v1(81.14,58.88) v1(81.14,57.48) v1(81.34,39.25) v1(81.34,38.5) v1(81.34,30.08) v1(81.34,29.33) v1(81.39,20.88) v1(81.39,20.13) v1(81.39,11.88) v1(81.39,11.13) v1(81.49,58.18) v1(81.84,58.88) v1(81.84,57.48) v1(82.19,58.18) v1(82.54,58.88) v1(82.54,57.48) v1(82.89,58.18) v1(83.24,58.88) v1(83.24,57.48) v1(83.59,58.18) v1(83.94,58.88) v1(83.94,57.48) v3(38.35,16.17)
